# KiCad board Kristerj.kicad_pcb (continued)
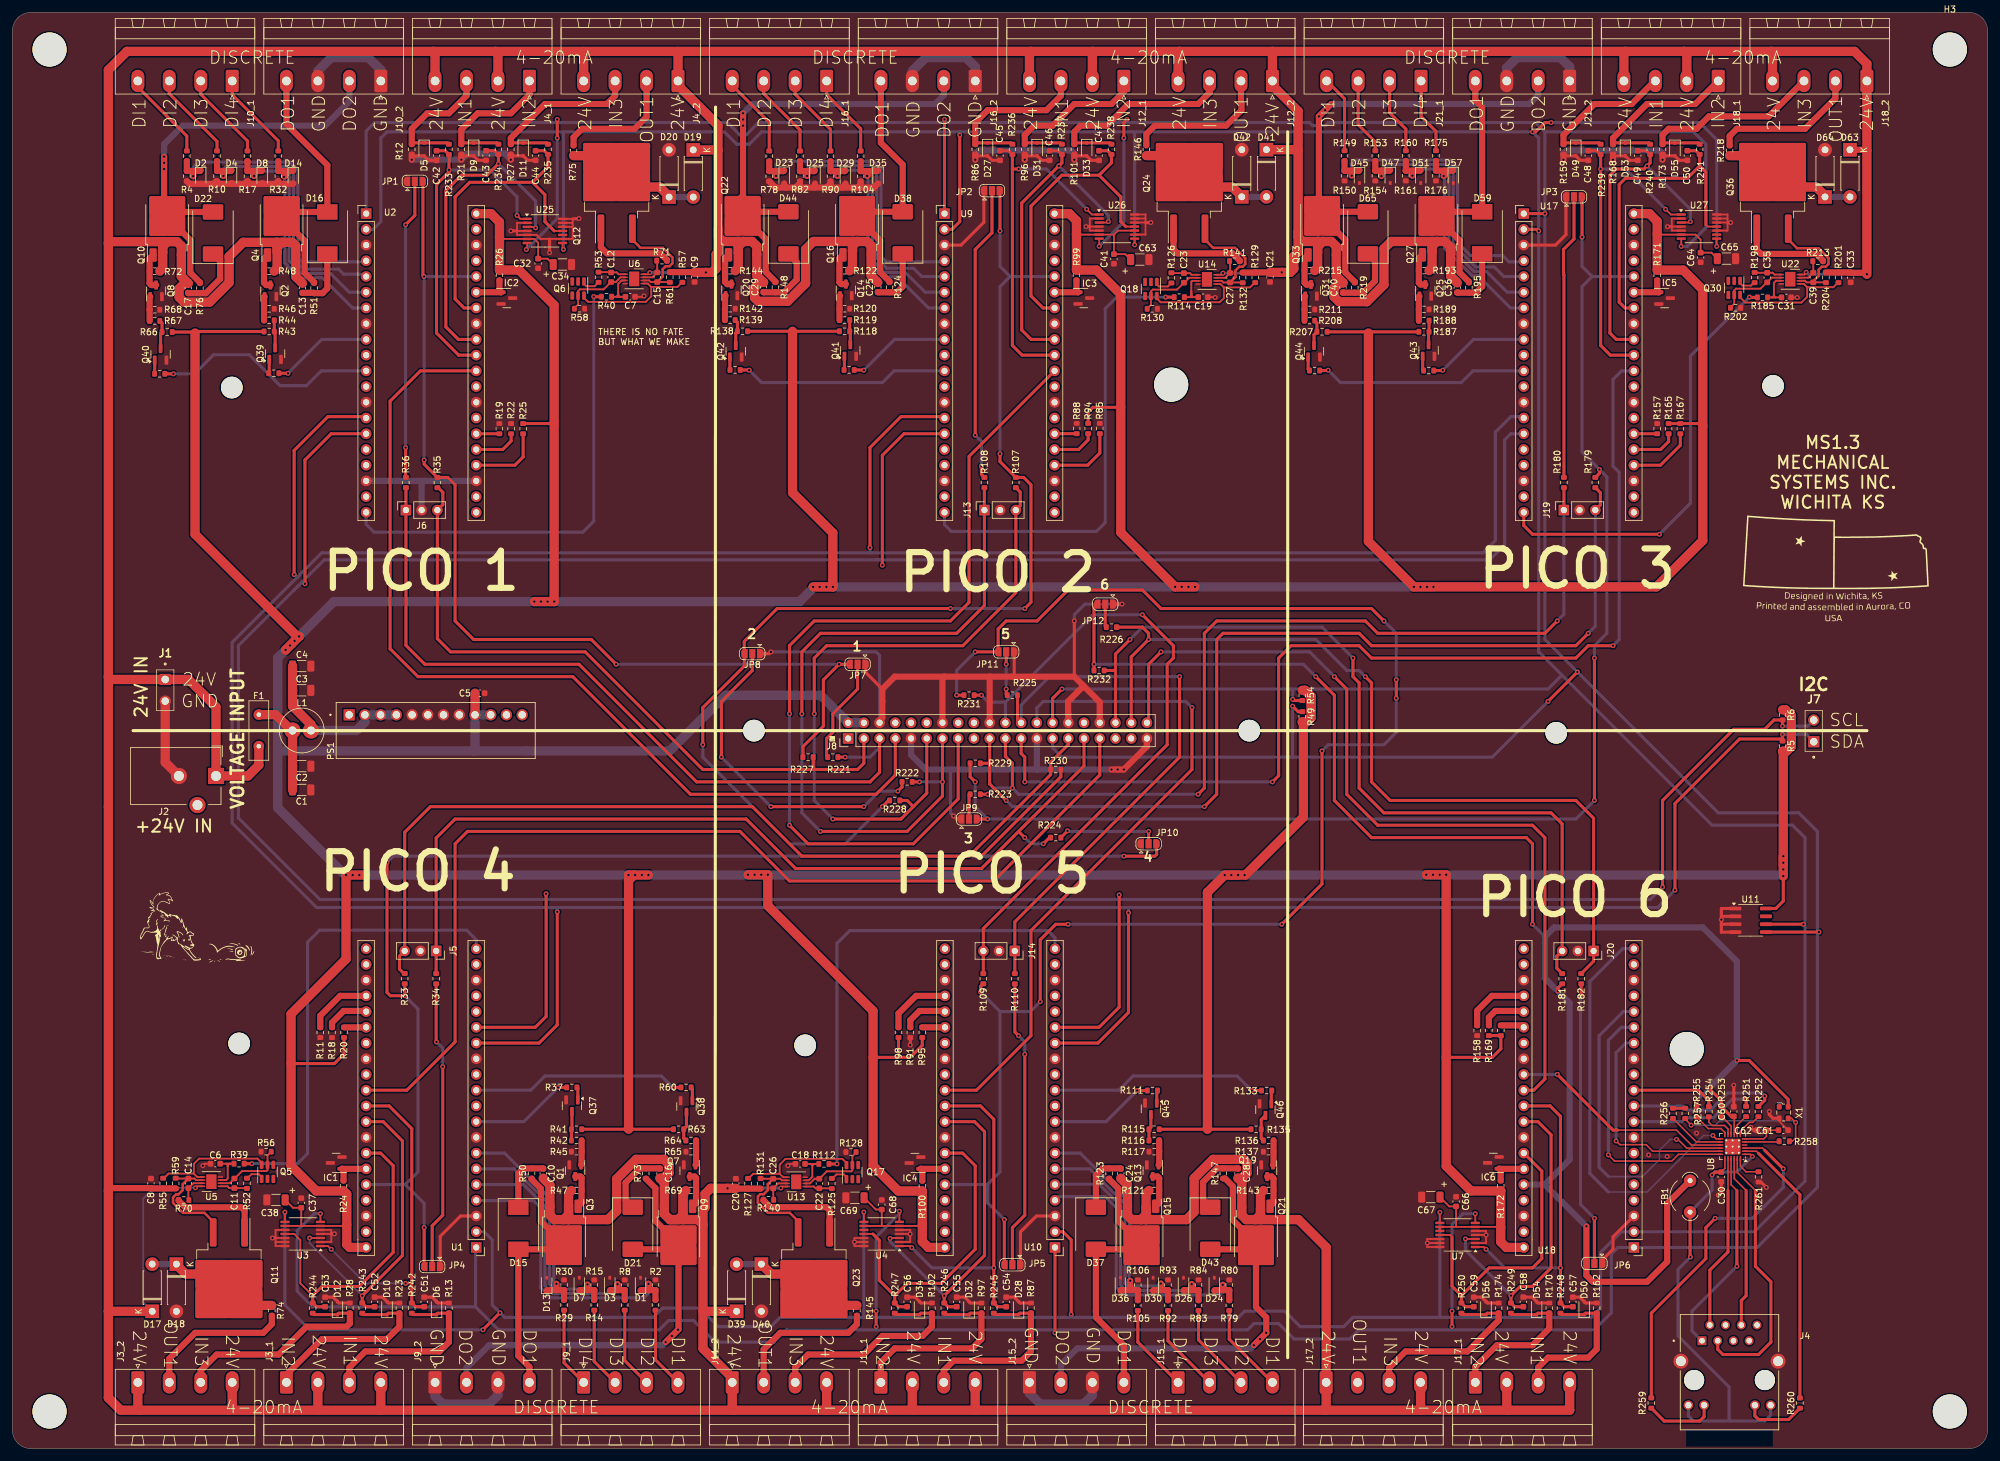
[diagram p0: board, top side]
## Routing (per net, layer and track width the routed paths; a pad name or vN(x,y) marks a point on that pad's centre or on a via; arc(x,y) is an arc through that point) (continued)
  Top w0.5: R97.1 154.73,23.52 D32.2 153.77,24.47 C55.2 ; X1.2 284.33,53.37 283.75,53.95 v1(283.75,54.45) ; U11.1 276,87.25 v1(276,85.45) 276,83.45 276.01,83.44 U11.4 ; C56.2 145.77,24.47 D34.2 146.73,23.52 R102.1 ; C47.2 174.23,208.1 D33.2 171.73,208.82 R101.1 ; R159.1 250.73,208.82 D49.2 253.23,208.1 C48.2 ; JP8.1 122.21,128.41 v1(122.5,128.7) ; R21.1 72.72,208.82 D9.2 75.22,208.1 C43.2 ; v1(280.73,51.91) 281.21,51.43 C62.1 ; v1(277.5,198.05) 277,198.05 ; v1(283.25,42.2) 282.38,43.07 R261.1 ; C58.2 245.44,24.47 D54.2 246.39,23.52 R170.1 ; R162.1 254.07,23.52 D50.2 253.12,24.47 C57.2 ; v1(173.4,197.4) 174,197.4 ; 276,84.7 276.01,84.71 U11.3 ; U10.3 165.38,37.57 162.8,35 JP5.1 ; U11.2 276,85.98 ; 140.5,122.7 137.8,125.4 JP7.1 ; v1(179.21,136.41) JP12.1 ; R168.1 258.73,208.82 D53.2 261.23,208.1 C49.2 ; C44.2 83.22,208.1 D11.2 80.72,208.82 R27.1 ; v1(42,34.02) 42.5,34.02 ; C53.2 51.78,24.47 D12.2 52.72,23.52 R28.1 ; v1(183.85,198.05) 183,198.05 ; C46.2 166.23,208.1 D31.2 163.73,208.82 R96.1 ; 51.47,34.68 51.5,34.7 v1(52,34.7) ; R174.1 238.21,23.52 D56.2 237.26,24.47 C59.2 ; R87.1 162.73,23.52 D28.2 161.77,24.47 C54.2 ; JP4.1 69.1,34.3 72.38,37.57 U1.3 ; C42.2 67.22,208.1 D5.2 64.72,208.82 R12.1 ; JP2.1 156.9,198.1 153.21,194.41 U9.3 ; v1(145,65.2) 145.01,65.21 R91.1 ; C52.2 59.78,24.47 D10.2 60.72,23.52 R23.1 ; 250.9,202.7 250.9,196.1 249.21,194.41 U17.3 ; JP9.1 152.5,101.7 v1(152,102.2) ; C45.2 158.23,208.1 D27.2 155.73,208.82 R86.1 ; 90.5,198.65 91.45,198.65 v1(91.5,198.7) ; 86.75,195.4 v1(86.75,193.2) ; v1(171.5,133.7) 171.5,124.7 ; 81.5,196.7 v1(80.5,196.7) ; U18.3 258.5,34.2 258.5,32.2 256.8,30.5 JP6.1 ; C50.2 269.23,208.1 D55.2 266.73,208.82 R173.1 ; C60.2 278,58.69 v1(278,58.7) ; 161.5,124.7 161.8,125 JP11.1 ; C51.2 67.78,24.47 D6.2 68.72,23.52 R13.1 ; v1(267.3,197.4) 268,197.4 ; C30.1 275.97,41.42 v1(275.5,40.95)
  Top w1: J8.39 183.23,113.43 v1(179.5,109.7) v1(178.5,109.7) v1(177.5,109.7) ; R27.1 v1(80.5,208.2) ; 131.5,203.7 132.12,204.32 R90.2 ; 131.5,203.7 134,203.7 ; 131.5,203.7 129.5,203.7 ; 150.5,124.7 150.21,124.41 150.21,117.25 ; 150.5,124.7 142.5,124.7 140.5,122.7 140.5,118.05 140.05,117.6 140.05,117.25 ; 150.5,124.7 171.5,124.7 173,123.2 ; R10.2 32.93,204.73 32.5,204.3 ; 125,203.7 126.5,203.7 ; 125,203.7 124.64,204.06 D23.2 ; 125,203.7 123.24,203.7 R78.2 ; 126.5,203.7 129.5,203.7 ; 126.5,203.7 127.19,204.39 R82.2 ; R12.1 v1(64.5,208.2) ; 134,203.7 136.5,203.7 ; 134,203.7 134.53,204.23 D29.2 ; 136.5,203.7 137,204.19 R104.2 ; 136.5,203.7 139.14,203.7 D35.2 ; R32.2 42.93,204.73 42.5,204.3 ; 42.5,204.3 40.5,204.3 ; 42.5,204.3 45.29,204.3 D14.2 ; 37.5,204.3 40.5,204.3 ; 37.5,204.3 35.5,204.3 ; 37.5,204.3 37.93,204.73 R17.2 ; 40.5,204.3 40.42,204.38 D8.2 ; 35.5,204.3 32.5,204.3 ; 35.5,204.3 35.41,204.39 D4.2 ; 170.53,117.25 170.53,118.67 170.5,118.7 170.5,120.7 173,123.2 ; v1(171.5,208.2) R101.1 ; R86.1 v1(155.5,208.2) ; 32.5,204.3 28.6,204.3 R4.2 ; R96.1 v1(163.5,208.2) ; 173,123.2 175.61,120.59 175.61,117.25 ; 129.5,203.7 129.62,203.81 D25.2 ; 157.83,117.25 157.83,124.7 ; R159.1 v1(250.5,208.2) ; v1(266.5,208.2) R173.1 ; R21.1 v1(72.5,208.2) ; R168.1 v1(258.5,208.2)
  Top w1.5: J2.2 24.69,110.86 J1.2
  Bottom w0.5: v1(152,102.2) 151.5,102.7 151.5,109.7 ; v1(179.21,136.41) 173.21,136.41 171.5,134.7 v1(171.5,133.7) ; v1(122.5,128.7) 139.5,128.7 140.05,128.15 140.05,117.25
  Bottom w1: U2.18 66.5,156.31 ; 66.5,156.31 66.09,155.91 J6.2 ; 66.5,156.31 U2.23 ; 165.5,109.7 165.45,109.75 J8.25 ; 165.5,109.7 v1(179.5,109.7) ; 165.5,109.7 147.5,109.7 145.13,112.07 J8.9 ; 258.5,209.7 251,209.7 250.5,209.2 v1(250.5,208.2) ; 258.5,209.7 v1(258.5,208.2) ; 258.5,209.7 266,209.7 266.5,209.2 v1(266.5,208.2) ; v1(155.5,208.2) 155.5,209.2 156,209.7 163.5,209.7 ; v1(80.5,208.2) 79.5,209.2 73.5,209.2 v1(72.5,208.2) v1(64.5,208.2) ; 163.5,209.7 171,209.7 171.5,209.2 v1(171.5,208.2) ; 163.5,209.7 v1(163.5,208.2)
  Bottom w1.5: J10_2.1 59.5,222.7 57.5,224.7 51.5,224.7 49.34,222.54 J10_2.3 ; J15_2.3 174.42,8.62 173,7.2 166,7.2 164.26,8.94 J15_2.1 ; J16_2.3 145.34,222.54 147.5,224.7 154,224.7 155.5,223.2 J16_2.1 ; J9_2.1 68.26,8.44 69.5,7.2 77,7.2 78.42,8.62 J9_2.3 ; J21_2.1 251.5,223.2 250,224.7 243,224.7 241.34,223.04 J21_2.3
  vias: v1(264.25,47.45) v1(267.25,47.2) v1(272,50.95)
/OSCIN: length 5.6
  Top w0.25: U8.5 285.23,49.54 R258.1
/REFCLKO: length 9.3
  Top w0.25: R256.1 271.96,49.54 U8.14
ADC_REF1: length 6
  Top w1: U2.35 78.91,186.79 IC2.1 78.66,187.05 R26.2
ADC_REF2: length 5.8
  Top w1: U9.35 172.1,186.79 IC3.1 171.85,187.05 R99.2
ADC_REF3: length 6.1
  Top w1: R171.2 265.64,187.04 IC5.1 265.88,186.79 U17.35
ADC_REF4: length 5.9
  Top w1: U1.35 53.24,45.19 IC1.1 53.48,44.95 R24.2
ADC_REF5: length 5.9
  Top w1: U10.35 146.71,45.19 IC4.1 146.95,44.94 R100.2
ADC_REF6: length 6
  Top w1: R172.2 240.37,44.95 IC6.1 240.13,45.19 U18.35
CRS: length 13.8
  Top w0.5: U18.11 272.31,57.89 273.99,56.21 R254.2
MDC: length 66.7
  Top w0.25: U8.13 275.16,50.04 v1(274.62,50.57)
  Bottom w0.25: v1(274.62,50.57) 273.12,50.57 264,41.45 257.75,41.45
  Bottom w0.5: 257.75,41.45 254.75,44.45 254.75,75.45 260.06,80.75 U18.20
nRST: length 36.5
  Top w0.25: U8.15 271.16,49.04 268.75,51.45 259.25,51.45
  Top w0.5: v1(249.5,60.45) 258.5,51.45 259.25,51.45
  Bottom w0.5: U18.29 247.99,60.44 248,60.45 v1(249.5,60.45)
Pi1_4-20_IN1: length 57.5
  Top w0.3: v1(81.5,199.2) 82.05,198.65 U25.1
  Top w0.5: U2.31 72.06,176.63 68.5,180.2 68.5,204.2 70.5,206.2 v1(70.5,206.55) R233.2 69.9,209.65 C42.1
  Bottom w0.5: v1(81.5,199.2) 81.5,202.2 77.15,206.55 v1(70.5,206.55)
Pi1_4-20_IN2: length 56.1
  Top w0.3: v1(84.5,197.2) 84.35,197.35 U25.3
  Top w0.5: C43.1 77.9,209.65 R234.2 v1(78.5,207.55) 76.65,205.7 72.5,205.7 70,203.2 70,181.2 72.03,179.17 U2.32
  Top w1: U2.32 74.9,179.16
  Bottom w0.5: v1(78.5,207.55) 84.5,201.55 v1(84.5,197.2)
Pi1_4-20_IN3: length 52.4
  Top w0.3: U25.11 87.5,196.7
  Top w0.5: 84,204.55 86,202.55 86,198.2 87.5,196.7 ; 84,204.55 86.5,207.05 R235.2 85.9,209.65 C44.1 ; 84,204.55 73.85,204.55 71.5,202.2 71.5,185.7 72.94,184.25 U2.34
Pi1_4-20_OUT-1-: length 20.3
  Top w1: R75.2 90.63,211.83 92,213.2 100.5,213.2 102.42,215.12 J4_2.2
Pi1_4-20_OUT-2-: length 23.5
  Top w1: 183.13,210.51 183.13,212.33 184.5,213.7 196,213.7 198.5,216.2 198.5,217.2 198.42,217.28 J12_2.2
Pi1_4-20_OUT-3-: length 23.9
  Top w1: J18_2.2 294.42,218.12 289.5,213.2 278.5,213.2 277.33,212.03 R218.2
Pi1_4-20_OUT-4-: length 24.1
  Top w1: J3_2.2 25.34,14.54 29.5,18.7 40.5,18.7 41.9,20.1 R74.2
Pi1_4-20_OUT-5-: length 23.5
  Top w1: J11_2.2 121.34,16.04 124,18.7 135,18.7 136.39,20.09 R145.2
Pi1_D-IN1: length 49.5
  Top w1: 29.21,206.38 30.31,206.38 D2.1 ; 29.21,206.38 R4.1 28.18,207.97 ; 29.21,206.38 29.21,205.54 v1(29.19,205.53)
  Bottom w0.5: U2.4 56.96,191.7 46.82,191.7 46.1,192.42 46.1,206.53 44.82,207.81 30.05,207.81 29.19,206.96 v1(29.19,205.53)
Pi1_D-IN2: length 44.7
  Top w1: 34.07,206.38 R10.1 33.05,207.97 ; 34.07,206.38 35.28,206.38 D4.1 ; 34.07,206.38 34.07,205.59 v1(34.09,205.58)
  Bottom w0.5: v1(34.09,205.58) 34.09,206.66 34.52,207.1 44.55,207.1 45.41,206.24 45.41,192.13 47,190.53 52.67,190.53 53.5,189.7 56.76,189.7 U2.5
Pi1_D-IN3: length 39.9
  Top w1: 37.97,207.97 R17.1 39.06,206.38 ; 39.06,206.38 39.06,205.59 v1(39.03,205.57) ; 39.06,206.38 40.24,206.38 D8.1
  Bottom w0.5: v1(39.03,205.57) 39.03,206.08 39.32,206.36 44.29,206.36 44.71,205.95 44.71,191.84 46.71,189.83 51.37,189.83 54.41,186.79 U2.6
Pi1_D-IN4: length 35.1
  Top w1: 44.03,206.38 R32.1 42.95,207.97 ; 44.03,206.38 45.26,206.38 D14.1 ; 44.03,206.38 44.03,205.6 43.93,205.5
  Bottom w0.5: U2.7 54.94,184.25 50.07,189.13 46.43,189.13 44,191.55 44,205.35 43.93,205.43 v1(43.85,205.43)
Pi1_D-OUT1: length 16.4
  Top w0.5: v1(44.5,173.7) 44.5,173.7 R38.1
  Bottom w0.5: U2.9 49.97,179.17 v1(44.5,173.7)
Pi1_D-OUT3: length 36.9
  Top w0.5: v1(26,173.61) 24.62,173.61
  Bottom w0.5: v1(26,173.61) 29.41,173.61 32.5,176.7 38.25,176.7 43.25,171.7 47.5,171.7 49.9,174.09 U2.11
Pi1_DI_1: length 14.6
  Top w0.5: R3.1 28.18,212.02 20.26,219.94 J10_1.4
Pi1_DI_2: length 14.5
  Top w0.5: R9.1 33.05,211.15 25.34,218.86 J10_1.3
Pi1_DI_3: length 14.4
  Top w0.5: R16.1 37.97,211.23 30.42,218.78 J10_1.2
Pi1_DI_4: length 14.4
  Top w0.5: J10_1.1 35.5,218.7 42.95,211.25 R31.1
Pi1_DO1: length 41.1
  Top w0.5: 51.14,199.76 D16.2
  Top w1: 45,200.78 46.03,199.76 D16.2 50.86,207.34 44.26,213.94 J10_2.4 ; R51.1 48.72,188.41 47.21,189.93 47.21,195.1 45,197.31 Q4.2
Pi1_DO3: length 66.9
  Top w1: Q10.2 28.74,195.23 28.74,189.94 30.29,188.39 R76.1 ; v1(24.5,208.7) v1(24.5,207.7) 24.5,199.62 Q10.2 ; 26.53,200.78 27.56,199.76 D22.2
  Bottom w1: J10_2.2 54.42,217.62 50.5,213.7 27.5,213.7 24.5,210.7 v1(24.5,208.7) v1(24.5,206.7)
Pi1_O_1: length 77.5
  Top w0.5: R40.2 93.91,186.07 v1(93.89,186.09)
  Bottom w0.5: U2.20 57.13,149.3 58.4,148.04 92.12,148.04 93.89,149.81 v1(93.89,186.09)
Pi1_O_2: length 75.5
  Top w0.5: v1(186.25,186) 186.25,186 R114.2
  Bottom w0.5: v1(186.25,186) 178.36,186 176.5,184.14 176.5,149.59 175.06,148.16 151.62,148.16 150.54,149.24 U9.20
Pi1_O_3: length 70.3
  Top w0.5: v1(266,147.7) 245.5,147.7 244.08,149.11 U17.20 ; v1(280.54,186.01) 280.59,185.96 R185.2
  Bottom w0.5: v1(266,147.7) 271,152.7 271,176.47 v1(280.54,186.01)
Pi1_O_4: length 75.2
  Top w0.5: R39.2 38.68,46.02 v1(38.68,46.03)
  Bottom w0.5: U1.20 74.91,82.2 73.38,83.73 49.6,83.73 47.67,81.81 47.67,47.67 46.03,46.03 v1(38.68,46.03)
Pi1_O_5: length 75.2
  Top w0.5: R112.2 v1(133.17,45.99)
  Bottom w0.5: U10.20 168.38,82.51 167.24,83.66 135.21,83.66 133.17,81.62 v1(133.17,45.99)
Pi1_RST: length 154.5
  Top w0.5: U2.30 65.9,174.09 61,169.2 61,129.2 65.5,124.7 90.5,124.7 109.5,105.7 139.5,105.7 142.59,108.79 J8.7
Pi1_SCL-1: length 669.5
  Top w0.5: v1(140.5,142.7) 140.5,160.45 143.99,163.94 U9.15 ; v1(86.2,89.63) 86.2,69.81 84.44,68.05 U1.15 ; U2.15 51.49,163.94 47.25,159.7 v1(47.25,139.7) ; v1(285.88,116.7) 285.88,116.71 R6.1 284.5,117.69 283,116.2 278,116.2 266.5,104.7 v1(266.5,90.7) ; v1(178.75,89.45) 178.75,71.3 175.5,68.05 U10.15
  Bottom w0.5: U17.15 242,163.94 241,162.94 241,145.98 238.6,143.57 139.6,143.57 ; 139.6,143.57 140.5,143.57 v1(140.5,142.7) ; 139.6,143.57 139.59,143.57 139.58,143.57 50.38,143.57 45.5,138.7 ; v1(178.75,89.45) 178.75,88.7 ; v1(266.5,90.7) 264.5,88.7 49.66,88.7 36.5,101.86 36.5,129.7 45.5,138.7 ; 45.5,138.7 46.88,140.07 v1(47.25,139.7) ; v1(285.88,116.7) 289.94,116.7 J7.2 ; v1(86.2,89.63) 86.2,88.7
Pi1_SDA-1: length 677.2
  Top w0.5: v1(268.5,90.2) 268.5,104.2 278.93,114.63 285.56,114.63 R5.1 285.88,115.34 v1(285.88,115.35) ; v1(88,86.7) 88,68.45 85.06,65.51 U1.14 ; U2.14 56.91,166.7 50.96,166.7 45.5,161.24 45.5,141.2 v1(45.51,141.19) ; v1(180.25,86.56) 180.25,70.45 175.31,65.51 U10.14 ; v1(138.5,145.54) 138.5,161.7 143.5,166.7 150.31,166.7 U9.14
  Bottom w0.5: 87.81,87.41 87.53,87.41 ; 87.81,87.41 87.05,87.41 ; 87.81,87.41 265.7,87.41 v1(268.5,90.2) ; 87.05,87.41 86.47,87.41 ; 87.05,87.41 88,87.41 v1(88,86.7) ; 138.63,145.54 v1(138.5,145.54) 138.5,144.7 ; 138.5,144.7 49.96,144.7 46.07,140.81 ; 138.5,144.7 140.5,144.7 ; 46.07,140.81 45.98,140.72 v1(45.51,141.19) ; 46.07,140.81 35.5,130.24 35.5,101.04 49.13,87.41 86.47,87.41 ; 86.47,87.41 86.57,87.41 ; v1(285.88,115.35) 289.77,115.35 290.92,114.21 J7.1 ; 140.36,144.7 237.5,144.7 239.5,146.7 239.5,164.2 242,166.7 243.86,166.7 U17.14 ; v1(180.25,86.56) 180.25,87.41
Pi1_SWCLK: length 126.4
  Top w0.5: R36.2 J6.1 63.56,129.75 66.61,126.7 91.5,126.7 110.5,107.7 138.5,107.7 140.05,109.25 J8.5 139.67,114.71 ; R221.2 v1(134.5,111.7)
  Bottom w0.5: v1(134.5,111.7) 138.5,111.7 140.05,113.25 J8.5
Pi1_SWDIO: length 109.3
  Top w0.5: 129.5,109.7 136.5,109.7 137.51,110.71 J8.3 ; 129.5,109.7 111.5,109.7 92.5,128.7 70.77,128.7 68.63,130.83 J6.3 69.52,152.49 69.52,154.49 68.78,155.23 R35.1 ; 129.5,109.7 129.32,109.88 R227.1
Pi2_4-20_IN1: length 57.6
  Top w0.3: v1(173.5,200.2) 174.35,199.35 U26.1
  Top w0.5: U9.31 163.06,176.63 161.5,178.2 161.5,206.7 ; 161.5,206.7 R236.2 160.9,209.65 C45.1 ; 161.5,206.7 v1(162.5,206.7)
  Bottom w0.5: v1(173.5,200.2) 167,206.7 v1(162.5,206.7)
Pi2_4-20_IN2: length 53.1
  Top w0.3: U26.3 176.85,198.05 v1(177,198.2)
  Top w0.5: C46.1 168.9,209.65 R237.2 169.5,207.7 v1(169,207.2) 163,201.2 163,180.7 164.52,179.17 U9.32
  Bottom w0.5: v1(177,198.2) 177,199.2 v1(169,207.2)
Pi2_4-20_IN3: length 50.1
  Top w0.3: U26.11 179.8,197.4
  Top w0.5: 175.5,205.7 177.5,207.7 R238.2 176.9,209.65 C47.1 ; 175.5,205.7 169.5,205.7 164.5,200.7 164.5,186.2 166.44,184.25 U9.34 ; 175.5,205.7 179,202.2 179,198.2 179.8,197.4
Pi2_D-IN1: length 49.2
  Top w1: 123.32,206.36 124.54,206.36 D23.1 ; 123.32,206.36 R78.1 R77.2 ; 123.32,206.36 v1(123.32,205.57)
  Bottom w0.5: v1(123.32,205.57) 123.32,207.41 123.86,207.95 139,207.95 140.29,206.67 140.29,192.55 141.14,191.7 150.36,191.7 U9.4
Pi2_D-IN2: length 44
  Top w1: 128.33,206.36 129.51,206.36 D25.1 ; 128.33,206.36 R82.1 R81.2 ; 128.33,206.36 128.33,205.6 v1(128.35,205.59)
  Bottom w0.5: U9.5 146.87,189.33 145.54,190.66 141.18,190.66 139.58,192.26 139.58,206.38 138.73,207.23 128.92,207.23 128.35,206.66 v1(128.35,205.59)
Pi2_D-IN3: length 39.3
  Top w1: 133.23,206.36 R90.1 R89.2 ; 133.23,206.36 133.23,205.61 v1(133.25,205.59) ; 133.23,206.36 134.43,206.36 D29.1
  Bottom w0.5: v1(133.25,205.59) 133.25,206.25 133.5,206.5 138.47,206.5 138.88,206.09 138.88,191.97 140.89,189.96 144.24,189.96 147.4,186.79 U9.6
Pi2_D-IN4: length 34.7
  Top w1: 138.23,206.36 138.23,205.76 v1(138.04,205.57) ; 138.23,206.36 R104.1 R103.2 ; 138.23,206.36 139.7,206.36 D35.1
  Bottom w0.5: v1(138.04,205.57) 138.19,205.43 138.19,191.69 140.61,189.26 142.94,189.26 147.94,184.25 U9.7
Pi2_D-OUT1: length 16.7
  Top w0.5: R113.1 137.46,174.24 v1(137.5,174.2)
  Bottom w0.5: U9.9 142.48,179.17 v1(137.5,174.2)
Pi2_D-OUT3: length 34.6
  Top w0.5: R134.1 118.96,174.24 v1(119,174.2)
  Bottom w0.5: U9.11 142.39,174.09 140.5,172.2 121,172.2 v1(119,174.2)
Pi2_DI_1: length 13.8
  Top w0.5: R77.1 122.23,214.22 116.26,220.19 J16_1.4
Pi2_DI_2: length 13.7
  Top w0.5: R81.1 127.19,213 121.34,218.86 J16_1.3
Pi2_DI_3: length 13.7
  Top w0.5: J16_1.2 126.42,218.78 132.12,213.07 R89.1
Pi2_DI_4: length 13.6
  Top w0.5: R103.1 137,213.2 131.5,218.7 J16_1.1
Pi2_DO1: length 41.2
  Top w0.5: D38.2 144.22,199.79
  Top w1: R124.1 141.65,188.55 140.14,190.06 140.14,195.15 137.94,197.35 Q16.2 ; 136.41,199.14 137.06,199.79 D38.2 143.79,207.41 140.26,210.94 J16_2.4
Pi2_DO3: length 72.9
  Top w0.5: 117.5,200.82 Q22.2
  Top w1: Q22.2 118,202.41 v1(118,215.7) ; Q22.2 119.58,197.47 121.67,195.38 121.67,190.08 123.22,188.52 R148.1 ; 117.94,199.14 118.59,199.79 D44.2
  Bottom w1: v1(118,213.7) v1(118,215.7) 119.5,217.2 149,217.2 150.42,218.62 J16_2.2
  vias: v1(118,214.7)
Pi2_RST: length 145.3
  Top w0.5: v1(125.5,100.7) 128.5,97.7 145.5,97.7 152.75,104.95 J8.15 ; U9.30 154.5,160.28 154.5,136.7 151.5,133.7 129.5,133.7 125.5,129.7 v1(125.5,118.7)
  Bottom w0.5: v1(125.5,100.7) v1(125.5,118.7)
Pi2_SWCLK: length 118.1
  Top w0.5: J8.13 v1(150.21,107.7) 150.21,105.41 144.5,99.7 v1(130.5,99.7) ; v1(127.5,118.7) 127.5,128.7 130.5,131.7 152.5,131.7 156.98,136.18 J13.1 156.98,155.22 R108.2 ; R222.2 v1(146.5,107.7)
  Bottom w0.5: v1(130.5,99.7) 127.5,102.7 v1(127.5,118.7) ; v1(146.5,107.7) v1(150.21,107.7)
Pi2_SWDIO: length 110.1
  Top w0.5: 145.5,103.7 147.67,105.87 J8.11 ; 145.5,103.7 144.5,104.7 R228.1 ; 145.5,103.7 143.5,101.7 v1(132.5,101.7) ; v1(129.5,118.7) 129.5,127.7 131.5,129.7 153.5,129.7 162.06,138.26 J13.3 162.77,152.32 162.77,154.51 R107.1
  Bottom w0.5: v1(129.5,118.7) 129.5,104.7 v1(132.5,101.7)
Pi3_4-20_IN1: length 55.2
  Top w0.3: v1(267,200.2) 267.85,199.35 U27.1
  Top w0.5: C48.1 255.9,209.65 R239.2 v1(256.5,206.7) 256.5,178.2 258.06,176.63 U17.31
  Bottom w0.5: v1(267,200.2) 260.5,206.7 v1(256.5,206.7)
Pi3_4-20_IN2: length 54.2
  Top w0.3: U27.3 270.85,198.05 v1(271,198.2)
  Top w0.5: C49.1 263.9,209.65 R240.2 264.5,207.7 v1(264,207.2) 263.5,206.7 259,206.7 258,205.7 258,180.2 259.02,179.17 U17.32
  Bottom w0.5: v1(264,207.2) 271,200.2 v1(271,198.2)
Pi3_4-20_IN3: length 51.9
  Top w0.3: 273.5,197.7 273.8,197.4 U27.11
  Top w0.5: U17.34 260.44,184.25 259.5,185.2 259.5,204.2 260.5,205.2 270.5,205.2 272.5,207.2 ; C50.1 271.9,209.65 R241.2 272.5,207.2 ; 272.5,207.2 273.5,206.2 273.5,197.7
Pi3_D-IN1: length 48.7
  Top w1: 216.3,206.42 v1(216.3,205.63) ; 216.3,206.42 217.45,206.42 D45.1 ; 216.3,206.42 215.14,206.42 215.14,206.43 R149.2
  Bottom w0.5: U17.4 243.91,191.7 241.7,191.7 240.7,192.7 235.5,192.7 233.4,194.8 233.4,206.87 232.12,208.15 216.98,208.15 216.3,207.47 v1(216.3,205.63)
Pi3_D-IN2: length 44
  Top w1: 221.1,206.43 v1(221.1,205.55) ; 221.1,206.43 222.43,206.43 D47.1 ; 221.1,206.43 R154.1 220.12,206.44 R153.2
  Bottom w0.5: v1(221.1,205.55) 221.1,206.79 221.74,207.43 231.84,207.43 232.7,206.58 232.7,194.5 236.34,190.86 239.34,190.86 240.87,189.33 U17.5
Pi3_D-IN3: length 38.9
  Top w1: D51.1 227.34,206.43 226.12,206.43 ; v1(226.1,205.63) 226.12,205.65 226.12,206.43 ; 226.12,206.43 R161.1 225.04,206.44 R160.2
  Bottom w0.5: v1(226.1,205.63) 226.1,206.18 226.62,206.7 231.59,206.7 232,206.29 232,194.21 236.05,190.16 238.04,190.16 241.4,186.79 U17.6
Pi3_D-IN4: length 33.9
  Top w1: D57.1 232.61,206.43 231.29,206.43 ; v1(231.15,205.55) 231.29,205.68 231.29,206.43 ; 231.29,206.43 R176.1 R175.2
  Bottom w0.5: v1(231.15,205.55) 231.3,205.4 231.3,193.9 235.74,189.46 236.74,189.46 241.94,184.25 U17.7
Pi3_D-OUT1: length 16.6
  Top w0.5: R183.1 230.94,174.14 v1(231,174.2)
  Bottom w0.5: v1(231,174.2) 235.98,179.17 U17.9
Pi3_D-OUT3: length 34.6
  Top w0.5: R205.1 212.44,174.14 v1(212.5,174.2)
  Bottom w0.5: v1(212.5,174.2) 214.5,172.2 234,172.2 235.89,174.09 U17.11
Pi3_DI_1: length 12.5
  Top w0.5: R149.1 215.14,218.06 212.28,220.92 J21_1.4
Pi3_DI_2: length 12.4
  Top w0.5: J21_1.3 217.34,213.86 220,211.2 220,210.7 220.12,210.58 R153.1
Pi3_DI_3: length 12.4
  Top w0.5: J21_1.2 222.42,215.78 225.04,213.16 R160.1
Pi3_DI_4: length 12.3
  Top w0.5: J21_1.1 227.5,215.2 229.9,212.79 R175.1
Pi3_DO1: length 40.3
  Top w0.5: D59.2 237.82,199.79
  Top w1: 229.99,199.14 230.64,199.79 D59.2 237.37,216.7 236.26,217.81 J21_2.4 ; R195.1 235.24,188.48 233.72,190 233.72,195.17 231.51,197.38 Q27.2
Pi3_DO3: length 78.2
  Top w0.5: 208.85,201.97 Q33.2
  Top w1: R219.1 216.81,188.46 215.25,190.01 215.25,195.26 Q33.2 ; v1(213,217.2) v1(211,215.2) 211,199.67 211.52,199.14 212.18,199.79 D65.2
  Bottom w1: v1(211,215.2) v1(213,217.2) 245,217.2 246.42,218.62 J21_2.2
  vias: v1(212,216.2)
Pi3_RST: length 171.9
  Top w0.5: J8.23 162.91,112.29 163.5,111.7 v1(163.5,107.7) ; v1(203.5,107.7) 204.5,108.7 204.5,127.7 206.5,129.7 217.5,129.7 219.5,127.7 252.5,127.7 254.5,129.7 v1(258.5,129.7)
  Bottom w0.5: v1(258.5,129.7) 259.5,130.7 259.5,157.7 258.5,158.7 258.5,172.7 259.89,174.09 U17.30 ; v1(203.5,107.7) v1(163.5,107.7)
Pi3_SWCLK: length 152.4
  Top w0.5: J8.21 160.37,111.83 161.5,110.7 v1(161.5,106.7) ; R180.2 250.57,151.62 J19.1 250.52,151.6 ; v1(157.5,105.7) R223.2 ; v1(249.5,133.7) 247.5,131.7 220.5,131.7 218.5,133.7 194.5,133.7 192.5,131.7 192.5,106.7 v1(191.5,105.7)
  Bottom w0.5: v1(191.5,105.7) 162.5,105.7 v1(161.5,106.7) 158.5,106.7 v1(157.5,105.7) ; v1(249.5,133.7) 250.56,134.76 J19.1
Pi3_SWDIO: length 160.1
  Top w0.5: v1(254.5,131.7) 252.5,129.7 219.5,129.7 217.5,131.7 195.5,131.7 194.5,130.7 194.5,105.7 v1(192.5,103.7) ; 157.83,110.7 J8.19 158.29,114.71 ; 157.83,110.7 157.83,107.37 v1(160.5,104.7) ; 157.83,110.7 R229.1 ; R179.1 256.46,154.41 256.46,152.42 J19.3
  Bottom w0.5: v1(160.5,104.7) 161.5,103.7 v1(192.5,103.7) ; J19.3 255.64,132.84 v1(254.5,131.7)
Pi4_4-20_IN1: length 56.6
  Top w0.3: v1(63.5,26.7) 64.5,26.7 ; v1(51.5,32.2) 50.97,32.72 49.75,32.72
  Top w0.5: 57.13,55.35 60.84,55.35 64.5,51.7 R242.2 65.1,22.93 C51.1
  Bottom w0.3: v1(63.5,26.7) 57,26.7 v1(51.5,32.2)
Pi4_4-20_IN2: length 52.9
  Top w0.3: v1(48,34.02) 49.75,34.02
  Top w0.5: U1.32 59.88,52.81 63,49.7 63,31.2 v1(56.5,24.7) R243.2 57.1,22.93 C52.1
  Bottom w0.3: v1(48,34.02) 48,33.2 v1(56.5,24.7)
Pi4_4-20_IN3: length 51.2
  Top w0.3: U3.11 45.53,34.68 46.5,33.7 46.5,26.7 48.5,24.7
  Top w0.5: U1.34 59.47,47.74 61.5,45.7 61.5,31.7 56,26.2 50,26.2 48.5,24.7 R244.2 49.1,22.93 C53.1
Pi4_D-IN1: length 48.8
  Top w1: 102.75,25.6 102.75,26.61 v1(102.73,26.62) ; 102.75,25.6 101.56,25.6 D1.1 ; 102.75,25.6 103.86,25.6 R1.2
  Bottom w0.5: U1.4 74.97,40.05 84.16,40.05 85.32,38.89 85.32,25.98 86.94,24.36 101.99,24.36 102.73,25.1 v1(102.73,26.62)
Pi4_D-IN2: length 43.7
  Top w1: 97.73,25.6 97.73,26.55 v1(97.72,26.56) ; 97.73,25.6 96.59,25.6 D3.1 ; 97.73,25.6 98.9,25.6 R7.2
  Bottom w0.5: U1.5 82.54,42.65 86.03,39.18 86.03,26.27 87.23,25.06 97,25.06 97.72,25.78 v1(97.72,26.56)
Pi4_D-IN3: length 38.9
  Top w1: R14.2 93.97,25.6 92.88,25.6 ; 92.88,25.6 91.66,25.6 D7.1 ; 92.88,25.6 v1(92.88,26.52)
  Bottom w0.5: U1.6 81,45.19 86.72,39.47 86.72,26.56 87.52,25.76 92.12,25.76 v1(92.88,26.52)
Pi4_D-IN4: length 34.6
  Top w1: D13.1 86.39,25.6 87.86,25.6 ; 87.86,25.6 89.09,25.6 R29.2 ; 87.86,25.6 v1(87.86,26.62)
  Bottom w0.5: U1.7 79.48,47.74 87.43,39.79 87.43,27.06 v1(87.86,26.62)
Pi4_D-OUT1: length 16.9
  Top w0.5: v1(88.15,58.34) R37.1
  Bottom w0.5: U1.9 82.62,52.81 v1(88.15,58.34)
Pi4_D-OUT3: length 34.8
  Top w0.5: v1(106.65,58.34) R60.1
  Bottom w0.5: U1.11 83.69,57.89 86,60.2 104.79,60.2 v1(106.65,58.34)
Pi4_DI_1: length 13.2
  Top w0.5: J9_1.4 103.86,14.34 R1.1
Pi4_DI_2: length 13.1
  Top w0.5: R7.1 98.9,14.22 J9_1.3
Pi4_DI_3: length 13.1
  Top w0.5: J9_1.2 93.97,14.07 R14.1
Pi4_DI_4: length 13
  Top w0.5: J9_1.1 89.09,13.87 R29.1
Pi4_DO1: length 40.8
  Top w0.5: D15.2 81.41,32.19
  Top w1: J9_2.4 83.5,13.2 81.71,14.99 D15.2 88.44,32.19 Q3.2 ; Q3.2 85.36,36.72 85.36,41.99 83.84,43.51 R50.1
Pi4_DO3: length 73.9
  Top w1: R73.1 103.84,42.07 103.84,36.8 106.05,34.59 Q9.2 ; v1(105.5,17.2) 107.57,19.27 Q9.2 106.93,32.19 D21.2
  Bottom w1: J9_2.2 73.34,13.04 77,16.7 105,16.7 v1(105.5,17.2) v1(107.5,19.2)
  vias: v1(106.5,18.2)
Pi4_RST: length 171.5
  Top w0.5: J8.33 175.61,108.81 158.5,91.7 125.5,91.7 117.5,99.7 73.5,99.7 71.5,97.7 71.5,65.7 63.69,57.89 U1.30
  Bottom w0.5: 175.15,114.25 J8.33
Pi4_SWCLK: length 149.1
  Top w0.5: J8.31 173.07,110.27 156.5,93.7 126.5,93.7 118.5,101.7 71.5,101.7 68.44,98.64 J5.1 ; J5.1 68.44,80.39 ; J5.1 R34.2 ; v1(166.5,97.7) 167.5,98.7 R224.2 ; v1(163.5,98.7) 162.5,99.7
  Bottom w0.5: v1(166.5,97.7) 164.5,97.7 v1(163.5,98.7) ; 173.07,114.48 J8.31
Pi4_SWDIO: length 145.4
  Top w0.5: R33.1 63.24,76.74 62.51,77.46 62.51,79.55 J5.3 63.36,99.56 67.5,103.7 119.5,103.7 127.5,95.7 154.5,95.7 167.68,108.88 R230.1 167.68,110.88 170.5,113.7 170.53,113.7 J8.29
Pi5_4-20_IN1: length 57.4
  Top w0.3: v1(145.25,32.45) 144.98,32.72 143.25,32.72
  Top w0.5: 150.61,55.35 156.35,55.35 158.5,53.2 v1(158.5,29.2) R245.2 159.1,22.93 C54.1
  Bottom w0.5: v1(145.25,32.45) 148.5,29.2 v1(158.5,29.2)
Pi5_4-20_IN2: length 54.1
  Top w0.3: v1(141.75,33.95) 141.82,34.02 143.25,34.02
  Top w0.5: U10.32 155.38,52.81 157,51.2 157,31.2 v1(150.5,24.7) R246.2 151.1,22.93 C55.1
  Bottom w0.5: v1(150.5,24.7) 141.75,33.45 v1(141.75,33.95)
Pi5_4-20_IN3: length 51.7
  Top w0.3: U4.11 138.98,34.68
  Top w0.5: 142.5,24.7 R247.2 143.1,22.93 C56.1 ; 142.5,24.7 140,27.2 140,33.65 138.98,34.68 ; 142.5,24.7 144.5,26.7 150,26.7 155.5,32.2 155.5,45.7 153.46,47.74 U10.34
Pi5_D-IN1: length 47.7
  Top w1: R79.2 R80.1 195.48,25.61 ; 195.48,25.61 195.48,26.45 v1(195.47,26.46) ; 195.48,25.61 194.21,25.61 D24.1
  Bottom w0.5: U10.4 168.97,40.7 176.5,40.7 178.28,38.92 178.28,26.1 179.56,24.82 194.98,24.82 195.47,25.31 v1(195.47,26.46)
Pi5_D-IN2: length 42.5
  Top w1: D26.1 189.25,25.61 190.46,25.61 ; v1(190.45,26.57) 190.46,26.56 190.46,25.61 ; R83.2 R84.1 190.46,25.61
  Bottom w0.5: U10.5 168.43,42.7 175.5,42.7 178.98,39.22 178.98,26.39 179.84,25.53 189.94,25.53 190.45,26.05 v1(190.45,26.57)
Pi5_D-IN3: length 37.8
  Top w1: R92.2 R93.1 185.5,25.61 ; 185.5,25.61 185.5,26.62 v1(185.45,26.66) ; 185.5,25.61 184.33,25.61 D30.1
  Bottom w0.5: v1(185.45,26.66) 185.06,26.27 180.09,26.27 179.68,26.68 179.68,39.52 174,45.19 U10.6
Pi5_D-IN4: length 34.1
  Top w1: D36.1 179.06,25.61 180.49,25.61 ; R105.2 R106.1 180.49,25.61 ; 180.49,25.61 180.49,27.08 v1(180.53,27.12)
  Bottom w0.5: v1(180.53,27.12) 180.38,27.27 180.38,39.82 172.46,47.74 U10.7
Pi5_D-OUT1: length 17
  Top w0.5: v1(181.64,57.84) R111.1
  Bottom w0.5: U10.9 176.62,52.81 v1(181.64,57.84)
Pi5_D-OUT3: length 35.3
  Top w0.5: v1(200.14,57.84) R133.1
  Bottom w0.5: v1(200.14,57.84) 197.79,60.2 181,60.2 178.69,57.89 U10.11
